# Altium PCB Discharge_C2.PcbDoc (part 1 of 2) (continued)
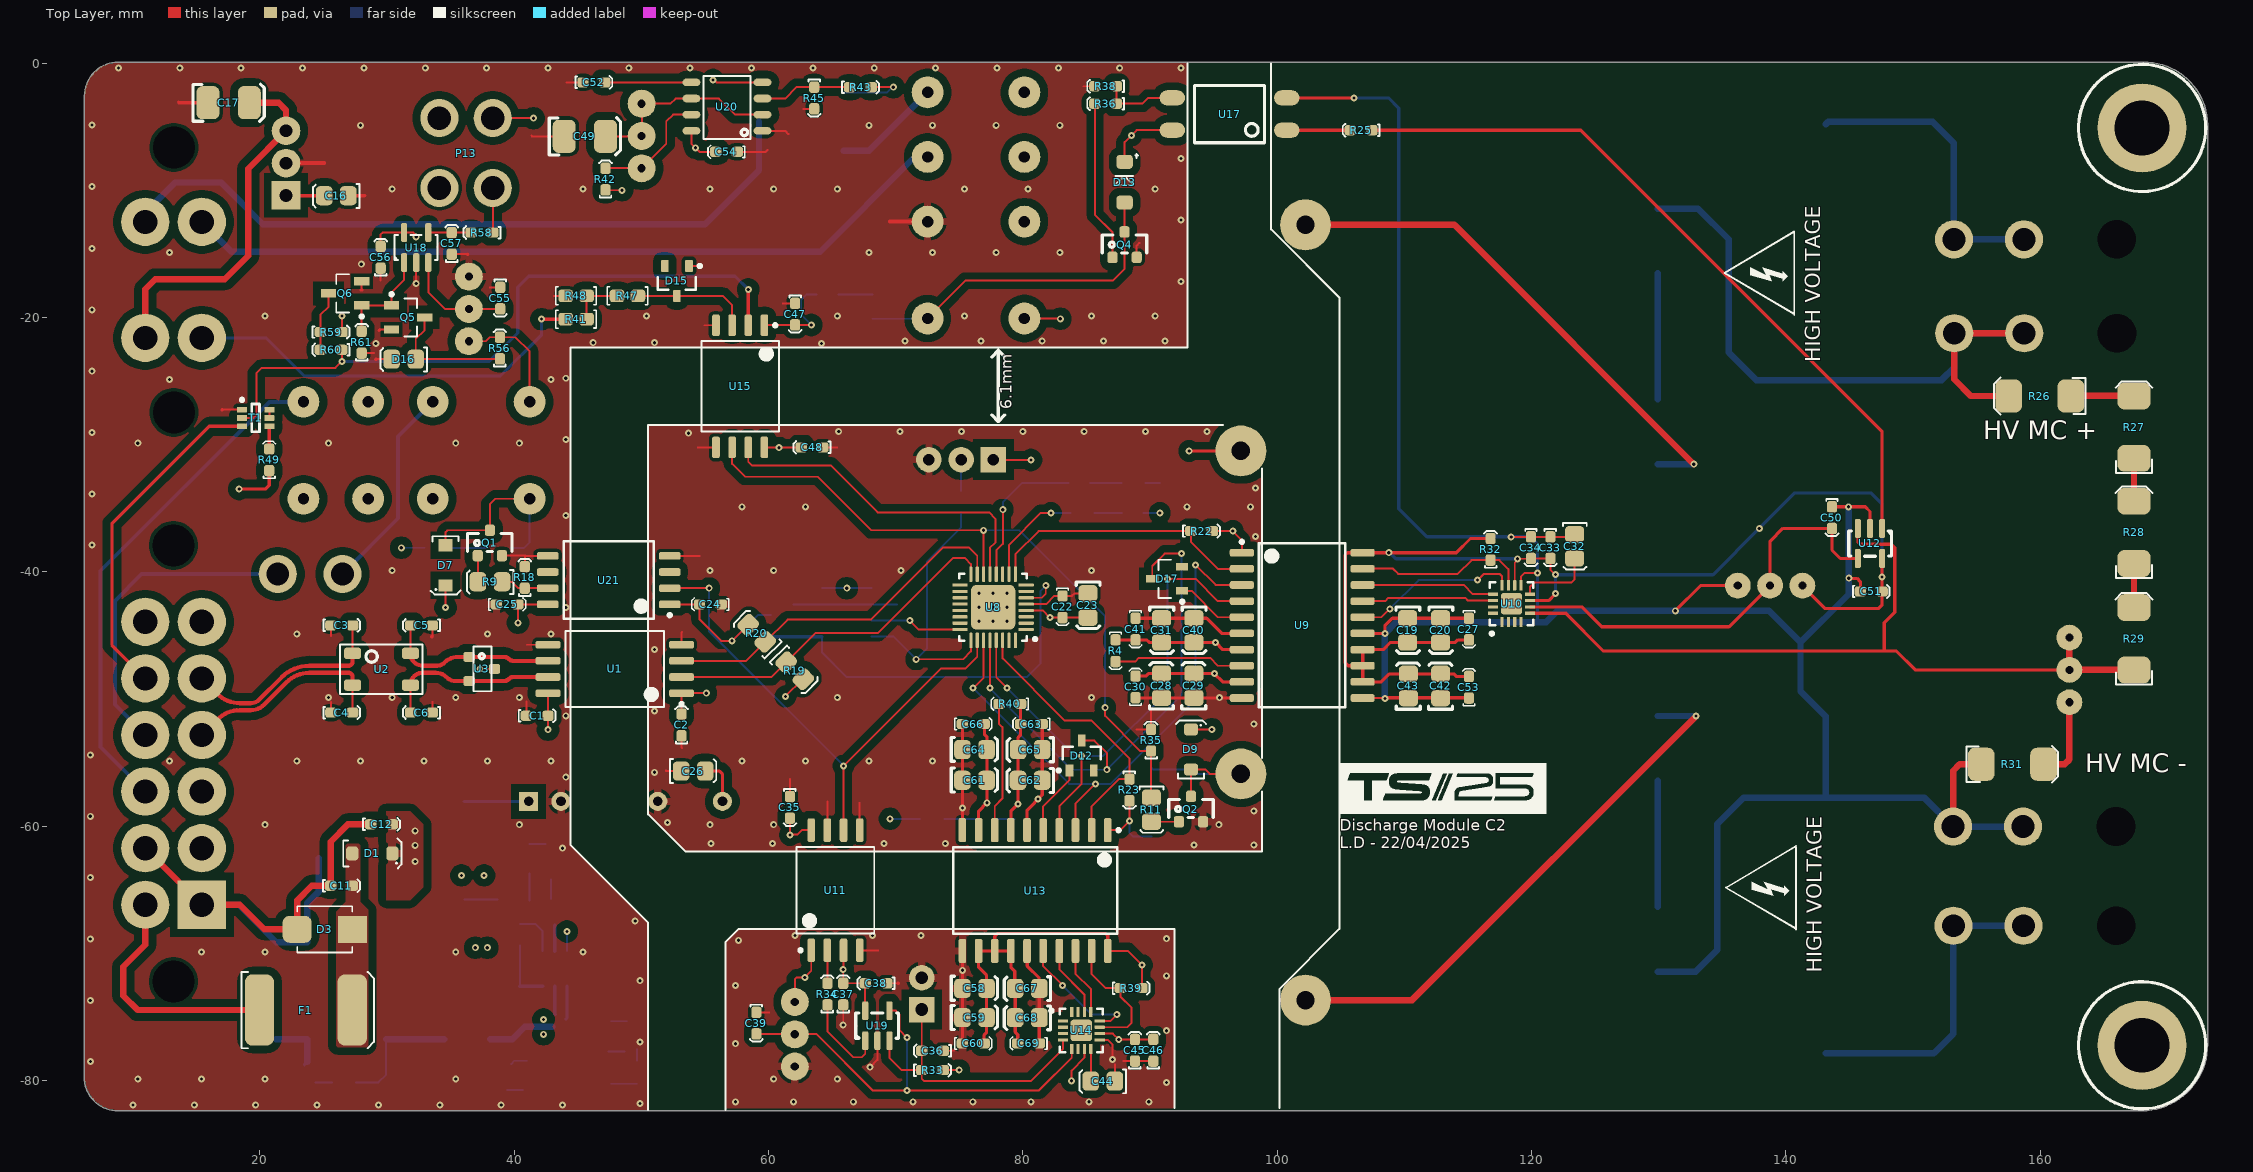
[diagram p0: Top Layer view]
## Components (designator, comment, footprint, x,y, rotation, side; value= is the part's Value field where it differs from the comment)
C1 "100nF" 0603 40.972,-51.308 r0 top
C2 "100nF" 0603 53.172,-52.881 r90 top
C3 "100pF" 0603 25.605,-44.196 r0 top
C4 "100pF" 0603 25.605,-51.054 r0 top
C5 "100pF" 0603 33.577,-44.196 r180 top
C6 "100pF" 0603 33.577,-51.054 r180 top
C7 "100nF" 0603 40.462,-69.367 r90 bottom
C8 "10uF" 0805 26.645,-80.162 r0 bottom
C9 "10uF" 0805 46.646,-75.302 r180 bottom
C10 "100nF" 0603 47.408,-77.699 r180 bottom
C11 "100nF" 0603 25.58,-64.668 r0 top
C12 "100nF" 0603 28.73,-59.842 r0 top
C13 "47uF" "CHEMI-CON ELCO" 27.28,-62.509 r0 bottom
C14 "2.2uF" 0805 41.985,-78.461 r0 bottom value=22uF
C15 "100nF" 0603 40.725,-80.747 r0 bottom
C16 "10uF" 0805 26.01,-10.439 r180 top
C17 "22uF" 1210 18.745,-3.099 r0 top
C18 "10uF" 0805 37.361,-66.7 r270 bottom
C19 "10uF" GCM21BR71H105KA03L-Footprint-1 110.16,-44.552 r270 top value=10µF
C20 "1uF" GCM21BR71H105KA03L-Footprint-1 112.751,-44.552 r270 top value=1µF
C21 "10uF" 0805 40.234,-61.354 r180 bottom
C22 "100nF" "0603 Capacitor" 83.134,-41.886 r270 top
C23 "2.2uF" GCM21BR71H105KA03L-Footprint-1 85.014,-42.596 r270 top value=2.2µF
C24 "100nF" 0603 56.285,-42.545 r180 top
C25 "100nF" 0603 38.61,-42.545 r0 top
C26 "10uF" 0805 54.102,-55.626 r0 top
C27 "10nF" "0603 Capacitor" 115.087,-43.637 r270 top
C28 "10uF" GCM21BR71H105KA03L-Footprint-1 91.034,-48.971 r90 top value=10µF
C29 "1uF" GCM21BR71H105KA03L-Footprint-1 93.574,-48.971 r90 top value=1µF
C30 "10nF" "0603 Capacitor" 88.875,-49.886 r90 top
C31 "10uF" GCM21BR71H105KA03L-Footprint-1 90.81,-44.552 r270 top value=10µF
C32 "1µF" 0805 123.423,-37.996 r270 top
C33 "100nF" 0603 121.492,-37.234 r270 top
C34 "100nF" 0603 119.968,-37.234 r270 top
C35 "100nF" 0603 61.696,-57.658 r270 top
C36 "100nF" 0603 73.762,-77.648 r180 top
C37 "100nF" 0603 65.888,-74.041 r90 top
C38 "100nF" 0603 69.315,-72.339 r180 top
C39 "100nF" 0603 59.055,-74.627 r270 top
C40 "1uF" GCM21BR71H105KA03L-Footprint-1 93.35,-44.552 r270 top value=1µF
C41 "10nF" "0603 Capacitor" 88.875,-43.637 r270 top
C42 "10uF" GCM21BR71H105KA03L-Footprint-1 112.979,-48.996 r90 top value=10µF
C43 "1uF" GCM21BR71H105KA03L-Footprint-1 110.439,-48.996 r90 top value=1µF
C44 "1µF" 0805 86.284,-80.061 r180 top
C45 "100nF" 0603 88.824,-78.459 r90 top
C46 "100nF" 0603 90.272,-78.457 r90 top
C47 "100nF" 0603 62.103,-18.874 r270 top
C48 "100nF" 0603 64.282,-30.2 r180 top
C49 "22uF" 1210 46.753,-5.74 r0 top
C50 "100nF" 0603 143.637,-34.876 r270 top
C51 "100nF" 0603 145.874,-41.529 r0 top
C52 "100nF" 0603 45.424,-1.499 r0 top
C53 "10nF" "0603 Capacitor" 115.087,-49.911 r90 top
C54 "100nF" 0603 57.555,-6.96 r180 top
C55 "100nF" 0603 38.913,-17.614 r270 top
C56 "100nF" 0603 29.515,-16.102 r90 top
C57 "10nF" 0603 35.103,-15.01 r90 top
C58 "10uF" GCM21BR71H105KA03L-Footprint-1 76.175,-72.857 r0 top value=10µF
C59 "1uF" GCM21BR71H105KA03L-Footprint-1 76.175,-75.159 r0 top value=1µF
C60 "10nF" "0603 Capacitor" 75.26,-77.064 r0 top
C61 "10uF" GCM21BR71H105KA03L-Footprint-1 76.175,-56.49 r0 top value=10µF
C62 "1uF" GCM21BR71H105KA03L-Footprint-1 80.614,-56.266 r180 top value=1µF
C63 "10nF" "0603 Capacitor" 81.534,-51.956 r180 top
C64 "10uF" GCM21BR71H105KA03L-Footprint-1 76.175,-54.077 r0 top value=10µF
C65 "1uF" GCM21BR71H105KA03L-Footprint-1 80.619,-53.853 r180 top value=1µF
C66 "10nF" "0603 Capacitor" 75.26,-51.956 r0 top
C67 "10uF" GCM21BR71H105KA03L-Footprint-1 80.391,-72.634 r180 top value=10µF
C68 "1uF" GCM21BR71H105KA03L-Footprint-1 80.391,-74.935 r180 top value=1µF
C69 "10nF" "0603 Capacitor" 81.306,-77.064 r180 top
D1 "PMEG100T10ELR-QX" SODFL350X110-2N#1 28.855,-62.128 r180 top
D2 "Red" "0805 LED" 46.67,-80.265 r0 bottom
D3 "SM6T39CAY" SM6T39CAY-Footprint-1 25.115,-68.097 r0 top
D4 "Red" "0805 LED" 40.282,-63.716 r0 bottom
D5 "Red" "0805 LED" 72.898,-59.436 r0 bottom
D6 "Green" "0805 LED" 33.909,-38.121 r0 bottom
D7 "PMEG100T10ELR-QX" SODFL350X110-2N#2 34.62,-39.472 r90 top
D8 "Green" "0805 LED" 90.144,-59.84 r90 bottom
D9 "PMEG100T10ELR-QX" SODFL350X110-2N#1 93.233,-53.95 r270 top
D10 "Yellow" "0805 LED" 84.686,-35.331 r180 bottom
D11 "Yellow" "0805 LED" 88.719,-33.021 r0 bottom
D12 "BAS-21" NEXPERIA_SOT23 84.633,-54.433 r90 top
D13 "PMEG100T10ELR-QX" "NXP SOD123W" 88.011,-9.347 r270 top
D14 "Orange" "0805 LED" 68.174,-19.149 r270 bottom
D15 "SZMMBZ5231BLT1G" SOT23-3 52.807,-17.113 r270 top
D16 "Green" "0805 LED" 31.312,-23.292 r180 top
D17 "BAS-21" NEXPERIA_SOT23 91.364,-40.538 r180 top
F1 "0ZCF0100AF2A" 2920 19.98,-74.447 r0 top
K1 "J104A2C5VDC.40S" J104A2C5VDC.40S-Footprint-1 32.334,-30.429 r180 bottom
K2 "J104A2C5VDC.40S" J104A2C5VDC.40S-Footprint-1 76.327,-11.176 r90 bottom
L1 "12uH" 1812 36.319,-76.733 r180 bottom
L2 "4.7uH" SRN3015TA-4R7M 38.912,-72.568 r0 bottom
L3 "12uH" 1812 36.09,-59.839 r270 bottom
P1 "DTF13-12P" DTF13-12P 11,-55.053 r90 bottom
P2 "1.27mm" 3221-10-0300-00 66.167,-42.545 r90 bottom
P3 "39300020" 39300020 158.725,-13.843 r270 bottom
P4 "39300020" 39300020 158.687,-67.818 r270 bottom
P5 "39300020" 39300020 158.75,-21.226 r270 bottom
P6 "39300020" 39300020 158.662,-60.022 r270 bottom
P10 "2.54mm" "TH 2.54mm Header 1x3" 77.699,-31.166 r180 bottom
P11 "B2B-XH-A(LF)(SN)" "XH 2 PIN VERT" 71.935,-73.161 r90 bottom
P12 "39293026" 39293026 23.965,-40.157 r90 bottom
P13 "39-29-3046" 39-29-3046-Footprint-1 38.329,-9.804 r0 top
Q1 "2N7002K" 2N7002K-Footprint-1 38.1,-37.719 r0 top
Q2 "2N7002K" 2N7002K-Footprint-1 93.233,-58.639 r0 top
Q3 "STD70N10F4" "STM TO-252 MOSFET" 58.913,-4.636 r90 bottom
Q4 "2N7002K" 2N7002K-Footprint-1 88.011,-14.259 r0 top
Q5 "SQ2308CES-T1_GE3" "VSHY SOT-23-3" 31.674,-19.985 r0 top
Q6 "SQ2308CES-T1_GE3" "VSHY SOT-23-3" 26.721,-18.085 r180 top
R1 "15k" TE_SMF7 143.129,-14.859 r270 bottom
R2 "15k" TE_SMF7 143.129,-67.786 r90 bottom
R3 "20K" 0603 49.657,-78.41 r270 bottom
R4 "1.2k" 0603 87.3,-45.341 r270 top
R5 "2K" 0603 42.924,-65.735 r180 bottom
R6 "10K (Var)" "B 3296"#1 162.865,-47.613 r90 bottom
R7 "1k" 0603 77.978,-59.41 r180 bottom
R8 "1k" 0603 39.673,-38.1 r180 bottom
R9 "100R" 0805 38.1,-40.792 r180 top
R10 "PWR263S-35-1001J" "B TO-263" 119.718,-13.974 r270 bottom value=1k
R11 "100R" 0805 90.145,-58.701 r270 top
R12 "PWR263S-35-1001J" "B TO-263" 119.718,-28.974 r270 bottom value=1k
R13 "1k" 0603 90.17,-55.45 r270 bottom
R14 "PWR263S-35-1001J" "B TO-263" 119.718,-53.873 r270 bottom value=1k
R15 "PWR263S-35-1001J" "B TO-263" 119.718,-68.873 r270 bottom value=1k
R16 "500R" 0603 87.808,-35.358 r0 bottom
R17 "500R" 0603 85.29,-33.01 r180 bottom
R18 "10k" 0603 40.843,-41.275 r90 top
R19 "5.1k" 0805 62.103,-47.752 r315 top
R20 "5.1k" 0805 59.055,-44.831 r135 top
R21 "10k" 0603 60.198,-45.085 r90 bottom
R22 "1.2k" 0603 93.22,-36.779 r0 top
R23 "1.2k" 0603 88.392,-56.289 r270 top
R24 "10k" 0603 75.159,-33.63 r270 bottom
R25 "1k" 0603 107.466,-5.258 r180 top
R26 "330K" "VB 0207" 160.183,-26.162 r180 top
R27 "330K" "VB 0207" 167.386,-28.812 r90 top
R28 "330K" "VB 0207" 167.386,-37.084 r90 top
R29 "330K" "VB 0207" 167.386,-45.449 r90 top
R30 "10K (Var)" "B 3296"#1 138.684,-40.513 r180 bottom
R31 "3.3K" "VB 0207" 157.624,-55.118 r0 top
R32 "1.2k" 0603 116.789,-39.065 r90 top
R33 "2K" 0603 72.062,-79.172 r0 top
R34 "1k" 0603 64.643,-74.041 r90 top
R35 "10k" 0603 90.094,-54.077 r90 top
R36 "680R" 0603 87.376,-3.175 r180 top
R37 "10K (Var)" "B 3296"#2 61.519,-76.439 r270 bottom
R38 "10k" 0603 87.376,-1.803 r180 top
R39 "1.2k" 0603 87.681,-72.72 r0 top
R40 "1.2k" 0603 79.834,-50.369 r180 top
R41 "RC0603FR-0710KL" RESC0603 44.882,-20.117 r0 top value=10K
R42 "5.1k" 0603 47.193,-9.955 r90 top
R43 "10R" 0603 66.396,-1.88 r0 top
R44 "10K (Var)" "B 3296"#2 49.479,-5.801 r270 bottom
R45 "20K" 0603 63.602,-1.88 r270 top
R46 "1k" 0603 65.507,-18.187 r180 bottom
R47 "RC0603FR-075K1L" RESC0603 48.92,-18.288 r0 top value=5.1K
R48 "RC0603FR-075K1L" RESC0603 44.882,-18.288 r0 top value=5.1K
R49 "1k" 0603 20.752,-32.028 r90 top
R56 "2K" 0603 38.887,-23.241 r90 top
R57 "10K (Var)" "B 3296"#2 37.008,-19.228 r90 bottom
R58 "10k" 0603 38.327,-13.31 r180 top
R59 "1k" 0603 24.767,-21.133 r0 top
R60 "1k" 0603 26.467,-22.53 r180 top
R61 "20K" 0603 28.021,-22.784 r90 top
T1 "PUMD2,115" "NXP, SOT363" 19.685,-27.889 r0 top
U1 "ISO1042" TI-SOIC-8 47.922,-47.625 r180 top
U2 "B82787C0104H002" "TDK 4-PC Pad" 27.305,-46.395 r0 top value="100µH @ 100kHz"
U3 "NUP2105L" "ON SOT-23" 37.465,-47.625 r270 top
U4 "744272121" "Wurth 4-PC Pad" 23.727,-76.733 r90 bottom value="120uH @ 100kHz"
U5 "LMR50410Y5FQDBVRQ1" TI-SOT23-6 43.205,-71.193 r270 bottom
U6 "RK-053.3S/H6" RK-053.3S/H6 41.148,-58.039 r0 bottom
U7 "3350-4275-056" "CI SPST" 97.155,-43.18 r90 bottom
U8 "STM32G0B1KBU6" ST-UFQFPN32 77.673,-42.774 r180 top
U9 "ISOW7741QDFMRQ1" TI-SOIC-20 101.98,-44.196 r0 top
U10 "TLA2518IRTER" QFN50P300X300X80_HS-17N 118.44,-42.494 r90 top
U11 "ADuM210N" SOIC-8W 65.278,-65.024 r90 top
U12 "TLV7031-Q1" "TI SOT-23-5" 147.574,-36.576 r180 top
U13 "ISOW7741QDFMRQ1" TI-SOIC-20 80.975,-65.049 r270 top
U14 "TLA2518IRTER" QFN50P300X300X80_HS-17N 84.607,-76.048 r0 top
U15 "ADuM225N" AD-SOIC-8W 57.785,-25.4 r270 top
U16 "DTF13-4P" DTF13-4P 11,-17.03 r90 bottom
U17 "LTV-817S-TA1" "ON 4-SMD" 96.012,-3.988 r180 top
U18 "TLV7031-Q1" "TI SOT-23-5" 31.359,-15.672 r0 top
U19 "TLV7031-Q1" "TI SOT-23-5" 67.617,-76.858 r0 top
U20 "NE555DR" "TI 8-SOIC" 49.86,-2.769 r180 top
U21 "ADuM225N" AD-SOIC-8W 47.447,-40.64 r180 top
U22 "R-78C5.0-1.0" "RECOM 3-SIP" 22.073,-10.389 r90 bottom

## Footprints (in the part's own frame and the unit in brackets; to place one, negate y for a bottom-side part, rotate by r counter-clockwise, add the part's x,y. Pads: shape width x height; smd on the part's side, far side on the other; paste and mask are expansions set on the pad)
2N7002K-Footprint-1 [mm]
  rrect50% 0.8x0.9 smd: D(0,1) G(-0.95,-1) S(0.95,-1)
  silkscreen extent -1.75,-0.66 1.75,0.75, body extent -1.5,-1.27 1.5,1.28, height 1
39-29-3046-Footprint-1 [mm]
  round 3 / inner round 3 / far side round 3.5 hole 1.85: 1(0,0) 2(0,5.5) 3(-4.2,0) 4(-4.2,5.5)
  body extent -7.3,-2.1 3.1,8.9, height 3.5
0603 [mm]
  rrect50% 0.9x0.8 smd: 1(0,0) 2(1.7,0)
  silkscreen extent -0.6,-0.5 2.3,0.5, body extent 0.05,-0.42 1.65,0.43, height 0.6
"0603 Capacitor" [mm]
  rrect50% 0.9x0.8 smd: 1(0,0) 2(1.7,0)
  silkscreen extent -0.6,-0.5 2.3,0.5, body extent 0.05,-0.42 1.65,0.43, height 0.6
0805 [mm]
  rrect50% 1.3x1.5 smd: 1(-0.962,-0.026) 2(0.938,-0.026)
  silkscreen extent -1.85,-0.95 1.8,0.93, body extent -1,-0.65 1,0.66, height 0.73
"0805 LED" [mm]
  rrect50% 1.3x1.5 smd: A(-0.962,-0.026) K(0.938,-0.026)
  silkscreen extent -1.85,-0.95 1.8,0.93, body extent -1.09,-0.63 0.91,0.63, height 1
1210 [mm]
  rrect50% 1.8x2.6 smd: 1(-2.81,0) 2(0.44,0)
  silkscreen extent -3.99,-1.46 1.62,1.46, body extent -2.77,-1.26 0.43,1.24, height 2.51
1812 [mm]
  rrect50% 2.2x3.5 smd: 1(-1.8,0) 2(1.8,0)
  silkscreen extent -3.25,-1.75 3.25,1.75, body extent -2.25,-1.6 2.25,1.6, height 2.5
2920 [mm]
  rrect50% 2.3x5.6 smd: 1(0,0) 2(7.3,0)
  silkscreen extent -1.4,-3 9,3, body extent -0.34,-2.81 7.64,2.81, height 1.14
3221-10-0300-00 [mm]
  rrect25% 0.76x2.4 smd: 1(-2.54,-1.95) 2(-2.54,1.95) 3(-1.27,-1.95) 4(-1.27,1.95) 5(0,-1.95) 6(0,1.95) 7(1.27,-1.95) 8(1.27,1.95) 9(2.54,-1.95) 10(2.54,1.95)
  silkscreen extent -6.35,-3.6 6.35,2.55, body extent -6.34,-2.8 6.36,2.8, height 5.25
39293026 [mm]
  round 3.5 / inner round 3 / far side round 3 hole 1.8: 1(0,2.54) 2(0,-2.54)
  body extent -3,-5.9 3.2,5.1, height 12.8
39300020 [mm]
  round 3 hole 1.8: 1(0,0) 2(0,5.5)
  round 1.524 hole 3.05: ""(0,-7.3)
  body extent -2.7,-13.97 3.1,5.97, height 11.4
AD-SOIC-8W [mm]
  rrect50% 1.7x0.6 smd: 1(-4.8,1.905) 2(-4.8,0.635) 3(-4.8,-0.635) 4(-4.8,-1.905) 5(4.8,-1.905) 6(4.8,-0.635) 7(4.8,0.635) 8(4.8,1.905)
  silkscreen extent -4.92,-3.05 3.55,3.05, body extent -5.16,-3.05 5.16,3.05, height 2.65
"B 3296"#1 [mil]
  round 80 hole 25.2: 1(-103.39,-22) 2(-3.39,-22) 3(96.61,-22)
  silkscreen extent -193,-97 187,143, body extent -191,-97 184,143, height 455
"B 3296"#2 [mil]
  round 80 / inner round 80 / far side round 86.61 hole 25.2: 1(-103.39,-22) 2(-3.39,-22) 3(96.61,-22)
  silkscreen extent -193,-97 187,143, body extent -191,-97 184,143, height 455
"B TO-263" [mm]
  rrect50% 2x3.8 smd: 1(-2.55,-10.2) 2(2.55,-10.2)
  rrect50% 12.7x11.4 smd: ""(0,0)
  silkscreen extent -6.8,-10.56 6.75,6.1, body extent -5.19,-11.02 5.45,4.83, height 4.8
"CHEMI-CON ELCO" [mm]
  rrect50% 3.55x1.85 smd: 1(-2.65,0) 2(2.65,0)
  silkscreen extent -4.43,-3.3 3.3,3.3, body extent -3.7,-3.4 3.7,3.4, height 6.1
"CI SPST" [mm]
  round 3.5 / inner round 3.5 / far side round 4 hole 1.45: 1(30.48,5.08) 2(12.7,0) 3(-12.7,0) 4(-30.48,5.08)
  silkscreen extent -38.73,-8.26 38.73,13.97, body extent -38.1,-4.45 38.1,13.34, height 20.57
DTF13-4P [mm]
  round 3 hole 3.3 unplated: 0(-10.415,2.25) 0(10.415,2.25)
  round 3 / inner round 3 / far side round 3.8 hole 1.9: 1(-4.56,4.45) 2(-4.56,0) 3(4.56,4.45) 4(4.56,0)
  silkscreen extent -5,-4.45 5,-4.45, body extent -13.68,-25.73 13.5,7.73, height 23.65
DTF13-12P [mm]
  round 3 hole 3.3 unplated: 0(-17.145,2.22) 0(17.145,2.22)
  rect 3x3 / inner rect 3x3 / far side rect 3.8x3.8 hole 1.9: 1(-11.114,4.45)
  round 3 / inner round 3 / far side round 3.8 hole 1.9: 2(-6.664,4.45) 3(-2.214,4.45) 4(2.236,4.45) 5(6.686,4.45) 6(11.136,4.45) 7(11.136,0) 8(6.686,0) 9(2.236,0) 10(-2.214,0) 11(-6.664,0) 12(-11.114,0)
  silkscreen extent -15.56,-4.45 15.59,-4.45, body extent -20.79,-27.74 20.79,6.55, height 23.13
GCM21BR71H105KA03L-Footprint-1 [mm]
  rrect50% 1.3x1.5 smd: 1(-0.915,0.112) 2(0.985,0.112)
  silkscreen extent -1.8,-0.81 1.85,1.07, body extent -0.95,-0.52 1.05,0.79, height 0.73
J104A2C5VDC.40S-Footprint-1 [mm]
  round 2.032 / inner round 2.032 / far side round 2.5 hole 0.9: 1(-8.89,-3.81) 4(-1.27,-3.81) 6(3.81,-3.81) 8(8.89,-3.81) 9(8.89,3.81) 11(3.81,3.81) 13(-1.27,3.81) 16(-8.89,3.81)
  silkscreen extent -10.16,-5.08 10.16,5.08, body extent -10.1,-5 10.1,5, height 11.43
NEXPERIA_SOT23 [mm]
  rect 0.95x0.6 smd: 2(-1.175,-0.95) A(-1.175,0.95) K(1.175,0)
  silkscreen extent -1.3,-1.5 0.7,1.92, body extent -1.33,-1.5 1.33,1.5, height 1.1
"NXP SOD123W" [mm]
  rrect50% 1.1x1.3 smd: A(1.6,0) K(-1.6,0)
  silkscreen extent -2.2,-0.73 0.2,1.04, body extent -1.75,-0.95 1.75,0.95, height 1.1
"NXP, SOT363" [mm]
  rrect25% 0.8x0.45 smd: B1(-1.075,0) B2(1.075,0) C1(1.075,0.65) C2(-1.075,-0.65) E1(-1.075,0.65) E2(1.075,-0.65)
  silkscreen extent -1.2,-1.1 0.3,1.55, body extent -1.15,-1.1 1.15,1.1, height 1.1
"ON 4-SMD" [mm] "SOP, 4-Leads, Body 3.85x4.4mm, Pitch 2.54mm, IPC Medium Density"
  oval 2x1.2 smd: 1(-4.75,1.27) 2(-4.75,-1.27) 3(4.25,-1.27) 4(4.25,1.27)
  silkscreen extent -3,-2.25 2.5,2.25, body extent -5.33,-2.3 4.83,2.3, height 4.6
"ON SOT-23" [mm] "NUP2105L"
  rrect50% 0.8x0.9 smd: 1(-0.95,-1) 2(0.95,-1) 3(0,1)
  silkscreen extent -1.75,-0.65 1.75,0.75, body extent -1.5,-1.27 1.5,1.28, height 1
QFN50P300X300X80_HS-17N [mm] "QFN, 16-Leads, Body 3.00x3.00mm, Pitch 0.50mm, Thermal Pad 1.68x1.68mm, IPC Medium Density"
  rrect25% 0.8x0.25 smd: 1(-1.45,0.75) 2(-1.45,0.25) 3(-1.45,-0.25) 4(-1.45,-0.75) 9(1.45,-0.75) 10(1.45,-0.25) 11(1.45,0.25) 12(1.45,0.75)
  rrect25% 0.25x0.8 smd: 5(-0.75,-1.45) 6(-0.25,-1.45) 7(0.25,-1.45) 8(0.75,-1.45) 13(0.75,1.45) 14(0.25,1.45) 15(-0.25,1.45) 16(-0.75,1.45)
  rrect25% 1.68x1.68 smd: 17(0,0)
  silkscreen extent -2.47,-1.7 1.7,1.7, body extent -1.6,-1.6 1.6,1.6, height 0.8
"RECOM 3-SIP" [mm] "12 to 42 Vdc In, 9 Vdc Out"
  rect 1.75x1.75 / inner rect 1.75x1.75 / far side rect 2.25x2.25 hole 1: 1(0,0)
  round 1.75 / inner round 1.75 / far side round 2.25 hole 1: 2(2.54,0) 3(5.08,0)
  silkscreen extent -3.5,-2 8.5,6.5, body extent -3.26,-2.02 8.34,6.48, height 11.41
RESC0603 [mm] "Chip Resistor, 2-Leads, Body 1.60x0.80mm, IPC Low Density"
  rrect50% 1.15x1 smd: 1(-0.825,0) 2(0.825,0)
  silkscreen extent -1.59,-0.7 1.59,0.7, body extent -0.85,-0.45 0.85,0.45, height 0.6
RK-053.3S/H6 [mm]
  rect 1.303x1.303 / inner rect 1.303x1.303 / far side rect 1.5x1.5 hole 0.76: 1(0,0)
  round 1.303 / inner round 1.303 / far side round 1.5 hole 0.76: 2(2.54,0) 5(10.16,0) 7(15.24,0)
  silkscreen extent -2,-5.78 17.65,1.8, body extent -1.99,-5.79 17.65,1.26, height 10.2
SM6T39CAY-Footprint-1 [mm]
  rect 2.28x2.12 smd: A(2.165,0)
  rrect50% 2.28x2.12 smd: K(-2.165,0)
  silkscreen extent -2.16,-1.81 2.16,1.81, body extent -2.79,-1.98 2.79,1.98, height 2.64
SODFL350X110-2N#1 [mm] "SODFL, 2-Leads, Body 1.70x3.50mm, IPC Medium Density"
  rrect50% 0.95x1.1 smd: A(1.575,0) K(-1.575,0)
  silkscreen extent -2.29,-1.19 2.28,1.18, body extent -1.75,-0.95 1.75,0.95, height 1.1
SODFL350X110-2N#2 [mm] "SODFL, 2-Leads, Body 1.70x3.50mm, IPC Medium Density"
  rect 0.95x1.1 smd: A(1.575,0) K(-1.575,0)
  silkscreen extent -2.29,-1.19 2.28,1.18, body extent -1.75,-0.95 1.75,0.95, height 1.1
SOIC-8W [mm]
  rrect50% 1.85x0.6 smd: 1(-4.725,1.905) 2(-4.725,0.635) 3(-4.725,-0.635) 4(-4.725,-1.905) 5(4.725,-1.905) 6(4.725,-0.635) 7(4.725,0.635) 8(4.725,1.905)
  silkscreen extent -4.85,-3.05 3.4,3.05, body extent -5.16,-3.05 5.16,3.05, height 2.65
SOT23-3 [mm] "SOT23, 3-Leads, Body 2.85x2.33mm, Pitch 0.95mm, IPC Medium Density"
  rrect25% 0.95x0.6 smd: 2(-1.175,-0.95) A(-1.175,0.95) K(1.175,0)
  silkscreen extent -1.3,-1.5 0.7,1.93, body extent -1.33,-1.5 1.33,1.5, height 1.1
SRN3015TA-4R7M [mm]
  rrect25% 1.5x3.6 smd: 1(-1.525,0) 2(1.525,0)
  silkscreen extent -2.1,-0.05 -2,0.05, body extent -1.46,-1.47 1.61,1.47, height 1.4
ST-UFQFPN32 [mm]
  rrect50% 1.2x0.25 smd: 1(-2.6,1.75) 2(-2.6,1.25) 3(-2.6,0.75) 4(-2.6,0.25) 5(-2.6,-0.25) 6(-2.6,-0.75) 7(-2.6,-1.25) 8(-2.6,-1.75) 17(2.6,-1.75) 18(2.6,-1.25) 19(2.6,-0.75) 20(2.6,-0.25) 21(2.6,0.25) 22(2.6,0.75) 23(2.6,1.25) 24(2.6,1.75)
  rrect25% 3.5x3.5 smd: 5(0,0)
  rrect50% 0.25x1.2 smd: 9(-1.75,-2.6) 10(-1.25,-2.6) 11(-0.75,-2.6) 12(-0.25,-2.6) 13(0.25,-2.6) 14(0.75,-2.6) 15(1.25,-2.6) 16(1.75,-2.6) 25(1.75,2.6) 26(1.25,2.6) 27(0.75,2.6) 28(0.25,2.6) 29(-0.25,2.6) 30(-0.75,2.6) 31(-1.25,2.6) 32(-1.75,2.6)
  silkscreen extent -3.42,-2.65 2.65,2.65, body extent -2.52,-2.52 2.52,2.52, height 0.6
"STM TO-252 MOSFET" [mm]
  rrect50% 6.7x6.7 smd: D(0.05,0.35)
  oval 1.6x3 smd: G(2.35,7) S(-2.25,7)
  silkscreen extent -3.75,-3.4 3.75,4.5, body extent -3.33,-2.67 3.39,7.75, height 2.39
"TDK 4-PC Pad" [mm]
  rrect50% 1.35x0.9 smd: 1(0,-2.5) 2(0,0) 3(4.55,0) 4(4.55,-2.5)
  silkscreen extent -1,-3.2 5.5,0.7, body extent -0.02,-2.82 4.48,0.38, height 2.8
TE_SMF7 [mm]
  rect 5.6x5.2 smd: 1(-10.05,0) 2(10.05,0)
  silkscreen extent -12.25,-4.75 12.25,4.75, body extent -12.25,-4.75 12.25,4.75, height 9.9
"TH 2.54mm Header 1x3" [mm]
  rect 1.5x1.5 / inner rect 1.5x1.5 / far side rect 2x2 hole 0.9: 1(0,0)
  round 1.5 / inner round 1.5 / far side round 2 hole 0.9: 2(2.54,0) 3(5.08,0)
  silkscreen extent -1.27,-1.27 6.35,1.27, body extent -1.27,-1.27 6.35,1.27, height 9.5
"TI 8-SOIC" [mm]
  oval 1.4x0.6 smd: 1(-9.677,2.54) 2(-9.677,1.27) 3(-9.677,0) 4(-9.677,-1.27) 5(-4.089,-1.27) 6(-4.089,0) 7(-4.089,1.27) 8(-4.089,2.54)
  silkscreen extent -8.74,-1.78 -5.03,3.17, body extent -9.96,-1.87 -3.76,3.14, height 1.76
"TI SOT-23-5" [mil]
  rrect50% 19x58 smd: 1(0,0) 2(37.4,0) 3(74.8,0) 4(74.8,93) 5(0,93)
  silkscreen extent -30,8 103,86, body extent -23,-12 97,106, height 57
TI-SOIC-8 [mm]
  rrect50% 1.95x0.6 smd: 1(-5.25,1.905) 2(-5.25,0.635) 3(-5.25,-0.635) 4(-5.25,-1.905) 5(5.25,-1.905) 6(5.25,-0.635) 7(5.25,0.635) 8(5.25,1.905)
  silkscreen extent -5.38,-3 3.88,3, body extent -5.75,-3 5.75,3, height 2.8
TI-SOIC-20 [mm]
  rrect50% 1.9x0.6 smd: 1(-4.75,5.715) 2(-4.75,4.445) 3(-4.75,3.175) 4(-4.75,1.905) 5(-4.75,0.635) 6(-4.75,-0.635) 7(-4.75,-1.905) 8(-4.75,-3.175) 9(-4.75,-4.445) 10(-4.75,-5.715) 11(4.75,-5.715) 12(4.75,-4.445) 13(4.75,-3.175) 14(4.75,-1.905) 15(4.75,-0.635) 16(4.75,0.635) 17(4.75,1.905) 18(4.75,3.175) 19(4.75,4.445) 20(4.75,5.715)
  silkscreen extent -4.87,-6.45 3.4,6.69, body extent -5.15,-6.45 5.15,6.45, height 3.55
TI-SOT23-6 [mm]
  rect 1x0.6 smd: 1(-1.375,0.95) 2(-1.375,0) 3(-1.375,-0.95) 4(1.375,-0.95) 5(1.375,0) 6(1.375,0.95)
  silkscreen extent -1.5,-1.55 0.5,1.92, body extent -1.5,-1.53 1.5,1.53, height 1.45
"VB 0207" [mm]
  rrect50% 2.1x2.6 smd: 1(-2.25,0) 2(2.65,0)
  silkscreen extent -3.4,-1.45 3.8,1.45, body extent -2.7,-1.1 3.1,1.1, height 2.19
"VSHY SOT-23-3" [mm] "SOT23, 3-Leads, Body 2.92x2.37mm, Pitch 0.95mm, IPC Low Density"
  rect 1.2x0.65 smd: D(1.3,0) G(-1.3,0.95) S(-1.3,-0.95)
  silkscreen extent -1.42,-1.5 0.7,1.95, body extent -1.32,-1.52 1.32,1.52, height 1.12
"Wurth 4-PC Pad" [mm]
  rrect50% 2.7x2.7 smd: 1(7.62,6.22) 2(0,6.22) 3(0,0) 4(7.62,0)
  silkscreen extent -1.7,-1.8 9.4,8, body extent -1.19,-1.24 8.81,7.46, height 6.2
"XH 2 PIN VERT" [mm]
  round 1.508 / inner round 1.508 / far side round 2 hole 1: 1(1.25,0.127)
  rect 1.508x1.508 / inner rect 1.508x1.508 / far side rect 2x2 hole 1: 2(-1.25,0.127)
  silkscreen extent -3.7,-3.3 3.7,3.71, body extent -3.61,-3.24 3.61,2.6, height 7.21

## Part data
C1 C2 C7 C10 C11 C12 C15 C24 C25 C33 C34 C35 C36 C37 C38 C39 C45 C46 C47 C48 C50 C51 C52 C54 C55 C56: library part GCM188L81H104KA57D, Digikey Part Number=490-6049-1-ND, Manufacturer=muRata, Rated Voltage=50V, Temperature Rating=X8L, Tolerance=±10%, Material=MLCC, Part Number=GCM188L81H104KA57D
C3 C4 C5 C6: library part GRM1885C1H101JA01D, Digikey Part Number=490-1427-1-ND, Manufacturer="Murata Electronics", Rated Voltage=50V, Temperature Rating="C0G, NP0", Tolerance=±5%, Material=MLCC, Part Number=GRM1885C1H101JA01D
C8 C9 C16 C18 C21 C26: library part GRM21BR6YA106KE43L, Digikey Part Number=490-10514-6-ND, Manufacturer=muRata, Rated Voltage=50V, Temperature Rating=X5R, Tolerance=10%, Material=MLCC, Part Number=GRM21BR6YA106KE43L
C13: library part HHXA350ARA470MF61G, Part Number=HHXA350ARA470MF61G
C14: library part GRM21BR61A226ME51L, Digikey Part Number=490-10511-1-ND, Manufacturer=muRata, Rated Voltage=50V, Temperature Rating=X5R, Tolerance=20%, Material=MLCC, Part Number=GRM21BR61A226ME51L
C17 C49: library part GRM32ER71E226KE15L, Digikey Part Number=490-5313-2-ND, Manufacturer="Murata Electronics", Rated Voltage=25V, Temperature Rating=X7R, Tolerance=±10%, Material=MLCC, Part Number=GRM32ER71E226KE15L
C19 C28 C31 C42 C58 C61 C64 C67: library part CMP-102-000034-2, "Ceramic Capacitor, Multilayer, Ceramic, 35V, 10% +Tol, 10% -Tol, X5R, 15% TC, 10uF, Surface Mount, 0805", Part Number=GRM21BR6YA106KE43L, Rated Voltage=35V, Tolerance=10%, Digikey Link=https://www.digikey.com.au/en/products/detail/murata-electronics/GRM21BR6YA106KE43L/5027598?s=N4IgTCBcDaIOICUCyYCMAhBA2AmgQVQAYsBpAUQBYBmAGQAIQBdAXyA, Material=X7R
C20 C29 C40 C43 C59 C62 C65 C68: library part CMP-102-000033-3, "Ceramic Capacitor, Multilayer, Ceramic, 50V, 10% +Tol, 10% -Tol, X7R, 15% TC, 1uF, Surface Mount, 0805", Part Number=GCM21BR71H105KA03L, Rated Voltage=50V, Tolerance=10%, Digikey Link=https://www.digikey.com.au/en/products/detail/murata-electronics/GCM21BR71H105KA03L/4903984?s=N4IgTCBcDaIOIGECyYCMAhASgdlQCVQAYBWAaQEFCBmAGRAF0BfIA, Material=X7R
C22: library part CMP-102-000031-7, "Ceramic Capacitor, Multilayer, Ceramic, 50V, 10% +Tol, 10% -Tol, X8L, -40/+15% TC, 0.1uF, Surface Mount, 0603", Part Number=GCM188L81H104KA57D, Rated Voltage=50V, Tolerance=10%, Digikey Link=https://www.digikey.com.au/en/products/detail/murata-electronics/GCM188L81H104KA57D/2591908?s=N4IgTCBcDaIOIGECyBGAHGgMmlAJFADACwDSAggKwDsAIiALoC%2BQA, Material=X8L
C23: library part CMP-102-000032-2, "Ceramic Capacitor, Multilayer, Ceramic, 25V, 10% +Tol, 10% -Tol, X7R, 15% TC, 2.2uF, Surface Mount, 0805", Part Number=GRM21BR71E225KE11L, Rated Voltage=50V, Tolerance=10%, Digikey Link=https://www.digikey.com.au/en/products/detail/murata-electronics/GRM21BR71E225KE11L/6606096?s=N4IgTCBcDaIOICUCyYCMAhBB2VBRMYArANK6qoAyIAugL5A, Material=X7R
C27 C30 C41 C53 C60 C63 C66 C69: library part CMP-102-000028-7, "Ceramic Capacitor, Multilayer, Ceramic, 50V, 5% +Tol, 5% -Tol, C0G, 30ppm/Cel TC, 0.01uF, Surface Mount, 0603", Part Number=GCM1885C1H103JA16D, Rated Voltage=50V, Tolerance=5%, Digikey Link=https://www.digikey.com.au/en/products/detail/murata-electronics/GCM1885C1H103JA16D/13401923?s=N4IgTCBcDaIOIGECyBGAHGgrAlAJFADAMwBSAgigGwAiIAugL5A, Material=C0G
C32 C44: library part GCM21BR71H105KA03L, Digikey Part Number=490-10675-1-ND, Manufacturer=muRata, Rated Voltage=50V, Temperature Rating=X7R, Tolerance=±10%, Material=MLCC, Part Number=GCM21BR71H105KA03L
C57: library part GCM188L81H103KA03D, Digikey Part Number=490-GCM188L81H103KA03DCT-ND, Manufacturer=muRata, Rated Voltage=50V, Temperature Rating=X8L, Tolerance=±10%, Material=MLCC, Part Number=GCM188L81H103KA03D
D1 D7 D9: library part CMP-004-00005-4, "Diode 100 V 1A Surface Mount SOD-123W"
D2 D4 D5: library part SML-210LTT86, "Red LED Indication - Discrete 1.75V 0805 (2012 Metric)", Digikey Part Number=511-1286-1-ND, Manufacturer="ROHM Semiconductor", Colour=Red, Part Number=SML-210LTT86
D3: library part CMP-004-00003-4, "TVS Diode Single Bi-Dir 33.3V 600W Automotive 2-Pin SMB T/R / TVS DIODE 33.3VWM 69.7VC SMB", Breakdown Voltage=39V, Case/Package=DO-214AA, Clamping Voltage=53.9V, Leakage Current=200nA, Max Breakdown Voltage=41V, Max Operating Temperature=150°C, Max Power Dissipation=600W, Max Surge Current=11.1A, Min Breakdown Voltage=37.1V, Min Operating Temperature=-55°C, Operating Supply Voltage=30V, Package Quantity=1, Peak Pulse Current=57A, Power Line Protection=No, Resistor Type=Zener, Reverse Standoff Voltage=33.3V, Test Current=1mA, Diode Type=ZENER, Direction=Bidirectional, Element Configuration=Single, Height=2.45mm, Length=4.6mm, Max Reverse Leakage Current=200nA, Mount="Surface Mount", Number of Bidirectional Channels=1, Number of Channels=1, Number of Elements=1, Number of Pins=2, Packaging="Tape and Reel", Peak Pulse Power=600W, Polarity=Bidirectional, Radiation Hardening=No, REACH SVHC="No SVHC", Reverse Breakdown Voltage=37.1V, RoHS Compliant=Yes, Series="Automotive, AEC-Q101, SM6TY, TRANSIL™", Termination=SMD/SMT, Width=3.95mm
D6 D8 D16: library part SML-210FTT86, "Green LED Indication - Discrete 1.75V 0805 (2012 Metric)", Digikey Part Number=511-1285-1-ND, Manufacturer="ROHM Semiconductor", Colour=Green, Part Number=SML-210FTT86
D10 D11: library part SML-211YTT86, "Yellow LED Indication - Discrete 1.75V 0805 (2012 Metric)", Digikey Part Number=511-1293-1-ND, Manufacturer="ROHM Semiconductor", Colour=Yellow, Part Number=SML-211YTT86
D12 D17: Breakdown Voltage=250V, Forward Voltage=1.0V, Manufacturer="Nexperia USA Inc.", Rated Power=250mW, Part Number=BAS-21
D13: Breakdown Voltage="100 V", Digikey Part Number=1727-PMEG100T10ELR-QXCT-ND, Forward Voltage="0.75 V @ 1A", Manufacturer="Nexperia USA Inc.", Rated Power="680 mW", Part Number=PMEG100T10ELR-QX
D14: library part SML-211DTT86, "Orange LED Indication - Discrete 1.75V 0805 (2012 Metric)", Digikey Part Number=511-1291-1-ND, Manufacturer="ROHM Semiconductor", Colour=Orange, Part Number=SML-211DTT86
D15: library part CMP-107-000002-2, "Zener Diode, 5.1V V(Z), 5.1%, 0.225W, Silicon, Unidirectional, TO-236AB", Max Operating Temperature=150°C, Max Power Dissipation=225mW, Min Operating Temperature=-65°C, Package Body Material=Plastic, Package Shape=Rectangular, Package Style="SMALL OUTLINEMeter", Part Number=BAS21, Reference Voltage-Nom=5.1V, Test Current=20mA, Voltage Tol-Max=5.1%, Digikey Link=#https://www.digikey.com.au/en/products/detail/smc-diode-solutions/BAS21/6022500#, Diode Element Material=SILICON, Diode Type=ZENER, Dynamic Impedance-Max=17R, JEDEC-95 Code=TO-236AB, JESD-30 Code=R-PDSO-G3, JESD-609 Code=e3, Moisture Sensitivity Level=1, Number of Elements=1, Pins=3, Polarity=Unidirectional, Reach SVHC Compliant=Yes, Reference Standard=AEC-Q101, RoHS Compliant=Yes, Surface Mount=Yes, Technology=ZENER, Terminal Finish=Tin, Terminal Form="Gull Wing", Terminal Position=DUAL
F1: "PTC RESET FUSE 60V 1A 292", Digikey Part Number=507-2070-1-ND, Manufacturer="Littelfuse Inc.", Digikey Link=https://www.digikey.com/product-detail/en/bel-fuse-inc/0ZCF0100AF2A/507-2070-1-ND/6210547, Part Number=0ZCF0100AF2A
K1 K2: library part CMP-008-00001-1, "Relay Gen Purpose DPDT 3A 5V"
L1 L3: library part RLS-126, Digikey Part Number=945-3429-ND, Manufacturer=Recom, Rated Current="0.8 A", Tolerance=0.2, Impedance=230mOhm, Material=Wirewound, Part Number=RLS-126
L2: library part SRN4018-4R7M, Digikey Part Number=SRN3015TA-4R7MCT-ND, Manufacturer=Bourns, Rated Current=1.9A, Tolerance=0.2, Impedance=84mOhms, Material=Wirewound, Part Number=SRN4018-4R7M
P1: Digikey Part Number=1734-1861-ND, Angle=90, Contact="Copper Alloy", Digikey Link=https://www.digikey.com/products/en?keywords=dtf13-12pa, Flange=No, Part Number=DTF13-12P, Pitch=4.45mm, Positions=12, Row Spacing=4.45mm
P2: library part "SMD 1.27mm Header 2x5 (3221-10-0300-00)", Angle=0, Contact=NA, Flange=No, Part Number="SMD 1.27mm Header 2x5 (3221-10-0300-00)", Pitch=1.27mm, Positions=10, Row Spacing=1.27mm
P3 P4 P5 P6: Digikey Part Number=WM21351-ND, Angle=90, Contact=Tin, Flange=No, Part Number=39300020, Pitch=4.2mm, Positions=2, Row Spacing=5.5mm
P10: library part "TH 2.54mm Header 1x3", Angle=0, Contact=NA, Flange=No, Part Number="TH 2.54mm Header 1x3", Pitch=2.54mm, Positions=3, Row Spacing=2.54mm
P11: Digikey Part Number=455-2247-ND, Angle=0, Contact=Tin, Digikey Link=https://www.digikey.com.au/en/products/detail/jst-sales-america-inc/B2B-XH-A-LF-SN/1651045, Flange=No, Part Number=B2B-XH-A(LF)(SN), Pitch=2.54mm, Positions=2, Row Spacing=2.54mm
P12: Digikey Part Number=WM3843-ND, Angle=0, Contact=Tin, Flange=No, Part Number=39293026, Pitch=4.2mm, Positions=2, Row Spacing=5.5mm
P13: library part CMP-104-000011-1, "Rectangular Power Connector, 4 Contact(s), Male, Solder Terminal, Plug", Contact Resistance=10mR, Dielectric Withstanding Voltage (AC)=1.5kV, Flammability Rating="UL94 V-2", Insulation Resistance=1GR, Max Operating Temperature=105°C, Min Operating Temperature=-40°C, Rated Current (Signal)=8A, Body Breadth=0.378inch, Body Depth=0.504inch, Body Length=0.38inch, Body/Shell Style=PLUG, Connector Type=Power,Rectangular, Contact Finish - Mating="NOT SPECIFIED", Contact Gender=Male, Contact Pattern=RECTANGULAR, Contact Style="SQ PIN-SKT", DIN Conformance=No, Durability=30Cycles, Empty Shell=No, Filter Feature=No, IEC Conformance=No, Insertion Force-Max=6.672N, Insulation Material=Nylon, Mating Contact Pitch=0.165inch, Mating Contact Row Spacing=0.165inch, Mating Information="MULTIPLE MATING PARTS AVAILABLE", MIL Conformance=No, Mixed Contacts=No, Mounting Option 1="POLARIZED LCK", Mounting Option 2=LOCKING, Mounting Style=STRAIGHT, Mounting Technology=Board, Number Of Connectors=1, Number of Contacts=4, Number Of PCB Rows=2, Number of Rows Loaded=2, Option="General Purpose", PCB Contact Pattern=RECTANGULAR, PCB Contact Row Spacing=5.5118mm, Plating Thickness=35uin, Polarization Key="POLARIZED HOUSING", Reach SVHC Compliant=Yes, Reference Standard=UL, Reliability=COMMERCIAL, RoHS Compliant=Yes, Shell Material=POLYAMIDE66, Terminal Length=0.138inch, Terminal Pitch=4.191mm, Termination=Solder, Withdrawl Force-Min=3.1136N
Q1 Q2 Q4: library part CMP-038-000000-2, "60V 380mA, NFET MOSTFET (Small Signal)", Part Number=2N7002K
Q3: "N-Channel 100V 60A (Tc) 125W (Tc) Surface Mount DPAK", Digikey Part Number=497-8806-2-ND, Manufacturer=STMicroelectronics, Rated Power=125W, LatestRevisionDate=29-May-2009, LatestRevisionNote="IPC-7351 Footprint Added.", PackageDescription="4-Pin SOT-343 Package 1.3 mm Pitch, 2.1 mm Lead Span", PackageReference=SOT-343, PackageVersion=Sep-2000, Part Number=STD70N10F4, Published=24-Mar-1999, Publisher="Altium Limited", Type=N-channel
Q5 Q6: "MOSFET N-CH 60V 2.3A SOT23", Digikey Part Number=SQ2308CES-T1_GE3CT-ND, Manufacturer="Vishay Siliconix", Rated Power=2W, LatestRevisionDate=29-May-2009, LatestRevisionNote="IPC-7351 Footprint Added.", PackageDescription="4-Pin SOT-343 Package 1.3 mm Pitch, 2.1 mm Lead Span", PackageReference=SOT-343, PackageVersion=Sep-2000, Part Number=SQ2308CES-T1_GE3, Published=24-Mar-1999, Publisher="Altium Limited", Type=N-channel
R1 R2: library part SMF715KJ, Manufacturer=TE, Rated Power=7W, Tolerance=0.05, Material="Metal Film", Part Number=SMF715KJ
R3 R45 R61: library part RC0603FR-0720KL, Digikey Part Number=311-20.0KHRCT-ND, Manufacturer=YAGEO, Rated Power=0.1W, Tolerance=0.01, Material=FR-07, Part Number=RC0603FR-0720KL
R4 R22 R23 R32 R39 R40: library part RC0603JR-071K2L, Digikey Part Number=311-1.2KGRCT-ND, Manufacturer=YAGEO, Rated Power=0.1W, Tolerance=0.01, Material=FR-07, Part Number=RC0603JR-071K2L
R5 R33 R56: library part RC0603FR-072KL, Digikey Part Number=311-2.00KHRCT-ND, Manufacturer=YAGEO, Rated Power=0.1W, Tolerance=0.01, Material=FR-07, Part Number=RC0603FR-072KL
R6 R30 R37 R44 R57: library part 3296W-1-103LF, Digikey Part Number=3296W-103LF-ND, Manufacturer="Bournes Inc", Rated Power=0.5W, Tolerance=0.1, Part Number=3296W-1-103LF
R7 R8 R13 R25 R34 R46 R49 R59 R60: library part RC0603FR-071KL, Digikey Part Number=311-1.00KHRCT-ND, Manufacturer=YAGEO, Rated Power=0.1W, Tolerance=0.01, Material=FR-07, Part Number=RC0603FR-071KL
R9 R11: library part RC0805FR07100RL, Digikey Part Number=311-100CRCT-ND, Manufacturer=YAGEO, Rated Power=0.125W, Tolerance=0.01, Material=FR-07, Part Number=RC0805FR07100RL
R10 R12 R14 R15: library part CMP-037-000402-1, Digikey Part Number=PWR263S-35-1001J-ND, Manufacturer="Bournes Inc", Rated Voltage=35W, Tolerance=0.05, Part Number=PWR263S-35-1001J
R16 R17: library part RT0603BRD07500RL, Digikey Part Number=13-RT0603BRD07500RL-ND, Manufacturer=YAGEO, Rated Power=0.1W, Tolerance=0.01, Material=FR-07, Part Number=RT0603BRD07500RL
R18 R21 R24 R35 R38 R58: library part RC0603FR-0710KL, Digikey Part Number=311-10.0KHRCT-ND, Manufacturer=YAGEO, Rated Power=0.1W, Tolerance=0.01, Material=FR-07, Part Number=RC0603FR-0710KL
R19 R20: library part RC0805FR075K1L, Digikey Part Number=311-5.10KCRCT-ND, Manufacturer=YAGEO, Rated Power=0.125W, Tolerance=0.01, Material=FR-07, Part Number=RC0805FR075K1L
R26 R27 R28 R29: library part MMB02070C3303FB200, Digikey Part Number=MMB-330KBCT-ND, Manufacturer="Vishay Beyschlag", Rated Power=1W, Tolerance=0.01, Part Number=MMB02070C3303FB200
R31: library part MMB02070C3301FB200, Digikey Part Number=MMB-3.30KBCT-ND, Manufacturer="Vishay Beyschlag", Rated Voltage=1W, Tolerance=0.01, Part Number=MMB02070C3301FB200
R36: library part RC0603JR-13680RL, Digikey Part Number=13-RC0603JR-13680RLCT-ND, Manufacturer=YAGEO, Rated Power=0.1W, Tolerance=0.01, Material=FR-07, Part Number=RC0603JR-13680RL
R41: library part CMP-RES-0102-2, "RES SMD 10K OHM JUMPER 1/10W 0603", Case/Package=0603, Max Operating Temperature=155°C, Min Operating Temperature=-55°C, Power Rating=100mW, Tolerance=1%, Voltage Rating=50V
R42: library part RC0603JR-075K1L, Digikey Part Number=311-5.1KGRCT-ND, Manufacturer=YAGEO, Rated Power=0.1W, Tolerance=0.01, Material=FR-07, Part Number=RC0603JR-075K1L
R43: library part RC0603FR-0710RL, Digikey Part Number=311-10.0HRCT-ND, Manufacturer=YAGEO, Rated Power=0.1W, Tolerance=0.01, Material=FR-07, Part Number=RC0603FR-0710RL
R47 R48: library part CMP-RES-0095-2, "RES SMD 5.1K OHM JUMPER 1/10W 0603", Case/Package=0603, Max Operating Temperature=155°C, Min Operating Temperature=-55°C, Power Rating=100mW, Tolerance=1%, Voltage Rating=50V
T1: library part CMP-013-00000-1, "Small Signal Bipolar Transistor, 0.1A I(C), 50V V(BR)CEO, 2-Element, NPN and PNP, Silicon", Collector-emitter Voltage-Max=50V, DC Current Gain-Min (hFE)=60, Max Collector Current=100mA, Package Body Material=Plastic, Package Shape=Rectangular, Package Style="SMALL OUTLINEMeter", Peak Reflow Temperature (Cel)=260°C, Time @ Peak Reflow Temperature-Max (s)=30s, JESD-30 Code=R-PDSO-G6, JESD-609 Code=e3, Moisture Sensitivity Level=1, Number of Elements=2, Pins=6, Polarity/Channel Type=NPN,PNP, Reach SVHC Compliant=Yes, Reference Standard=IEC-60134, RoHS Compliant=Yes, Surface Mount=Yes, Terminal Finish=Tin, Terminal Form="Gull Wing", Terminal Position=DUAL, Transistor Application=SWITCHING, Transistor Element Material=SILICON
U1: "IC CAN TRANSCEIVER 1/1 8SOIC", Digikey Part Number=296-ISO1042BQDWVQ1-ND, Manufacturer="Texas Instruments", Part Number=ISO1042
U2: Digikey Part Number=495-4598-1-ND, Manufacturer="EPCOS (TDK)", Rated Current=150mA, Impedance="5.8 kOhms @ 10MHz", Material=Wirewound, Part Number=B82787C0104H002
U3: "Dual Line CAN Bus Protector", Digikey Part Number=NUP2105LT1GOSCT-ND, Manufacturer="ON Semiconductor", Digikey Link=https://www.digikey.com/product-detail/en/on-semiconductor/NUP2105LT1G/NUP2105LT1GOSCT-ND/1485001, Part Number=NUP2105L
U4: Digikey Part Number=732-1489-1-ND, Manufacturer="Wurth Electronics Inc", Rated Current="2.5 A", Impedance="460 Ohms @ 30MHz", Material=Wirewound, Part Number=744272121
U5: library part LMR50410-Q1, "IC REG BUCK 5V 1A SOT23-6", Digikey Part Number=296-LMR50410Y5FQDBVRQ1CT-ND, Input Voltage=4-36V, Manufacturer="Texas Instruments", Output Current=1A, Output Voltage=5V, Part Number=LMR50410-Q1
U6: "DC DC CONVERTER 3.3V 1W", Input Voltage=5V, Manufacturer=Recom, Output Current=303mA, Output Voltage=3.3V, Part Number=RK-053.3S/H6
U7: library part CMP-035-000005-1, "RELAY REED HV SPST 200W 3A 5V (NC)", Part Number=3350-4275-056
U8: library part CMP-029-000004-2, "RISC Microcontroller, 32-Bit, FLASH, Cortex-M0+ CPU, 64MHz, CMOS"
U9 U13: library part CMP-001-0030-1, "Automotive, low-emissions, quad-channel 3/1 reinforced digital isolator with integrated power 20-SOIC -40 to 125"
U10 U14: library part CMP-001-0002-15, "8-Channel Single ADC SAR 1Msps 12-bit Serial 16-Pin WQFN EP T/R", Digikey Link=https://www.digikey.com.au/en/products/detail/texas-instruments/ADS7028IRTER/12696020?s=N4IgTCBcDaIIIBEDKB2ADGAHASQEoBUBRXEAXQF8g
U11: library part CMP-110-000007-1, "DIGITAL ISOLATOR, SINGLE CHANNEL", Digikey Link=#https://www.analog.com/media/en/technical-documentation/data-sheets/ADuM210N.pdf#, Part Number=ADuM210N
U12 U18 U19: Digikey Part Number=296-TLV7031QDBVRQ1CT-ND, Input Voltage="1.6 to 6.5 V", Manufacturer="Texas Instruments", Channels=1, Output=Push-Pull, Part Number=TLV7031-Q1
U15 U21: "DIGITAL ISOLATOR, DUAL CHANNEL", Manufacturer="Analogue Devices", Part Number=ADuM225N
U16: Digikey Part Number=1734-1646-ND, Angle=90, Contact="Copper Alloy", Digikey Link=https://www.digikey.com.au/products/en?keywords=dtf13-4p, Flange=Yes, Part Number=DTF13-4P, Pitch=9.12mm, Positions=4, Row Spacing=4.45mm
U17: "35V 50ma Optocoupler (VF=1.2V)", Digikey Part Number=160-1893-2-ND, Manufacturer="Lite-On Inc", Digikey Link=https://www.digikey.com/product-detail/en/lite-on-inc/LTV-817S-TA1/160-1893-2-ND/388451, Part Number=LTV-817S-TA1
U20: library part CMP-022-000003-1, "IC OSC SGL TIMER 100KHZ 8-SOIC", Part Number=NE555DR
U22: "CONV DC/DC 1A 5V OUT SIP VERT", Digikey Part Number=945-1395-5-ND, Manufacturer=Recom, Output Power=5W, Output Voltage=5V, Digikey Link=https://www.digikey.com.au/product-detail/en/recom-power/R-78C5.0-1.0/945-1395-5-ND/2652148, Isolation=Non-Isolated, Part Number=R-78C5.0-1.0

## Free pads (board coordinates)
  round 7 hole 4.3 unplated: 1(168.021,-77.216) 2(168.021,-5.08)

## Via types
v1: diameter 0.55, hole 0.25, Top Layer to Bottom Layer, tented both sides, 287 vias

## Nets (pads, with @x,y where several pads share a name; then routed paths per layer and width w, separated by ;. In a path a pad name is that pad's centre, name@x,y a point inside that pad or via, vN(x,y) a via of type N, cw(c..) or ccw(c..) an arc to the next point about the centre after c; other vN are vias at no path point)
0V: C1.1 C3.1 C4.1 C5.1 C6.1 C8.1 C9.1 C10.1 C14.1 C15.1 C16.1 C17.1 C18.1 C21.1 C25.1 C47.1 C49.1 C52.1 C54.1 C55.1 C56.1 C57.1 D15.A D16.K K2.4 P13.3 Q1.S Q4.S Q5.S Q6.S R3.1 R5.1 R18.2 R38.2 R45.2 R48.1 R57.3 R61.1 T1.E1 U1.5 U3.3 U4.3 U5.2 U6.2 U15.4 U18.2 U20.1 U21.5 U22.2 | length 66.5
  Top Layer w0.152: 17.058,-27.239 T1.E1@18.61,-27.239 ; C4.1@25.605,-51.054 25.605,-50.214 ; 25.605,-45.036 C3.1@25.605,-44.196 ; R61.1@28.021,-22.784 29.007,-22.784 ; 28.021,-17.801 Q6.S@28.021,-17.135 ; 29.16,-23.266 D16.K@30.374,-23.266 ; 29.459,-20.935 Q5.S@30.374,-20.935 ; 29.515,-17.069 C56.1@29.515,-16.102 ; v1(32.309,-17.323) U18.2@32.309,-15.672 ; C6.1@33.577,-51.054 33.577,-50.214 ; 33.577,-45.036 C5.1@33.577,-44.196 ; C57.1@35.103,-15.01 36.346,-15.01 ; v1(37.338,-47.625) U3.3@38.465,-47.625 ; 38.114,-17.614 C55.1@38.913,-17.614 ; Q1.S@39.05,-38.719 40.825,-38.719 ; 40.843,-38.684 40.872,-38.713 40.872,-38.735 ; R18.2@40.872,-39.546 40.872,-38.735 ; C1.1@40.972,-51.308 40.972,-50.181 ; 41.021,-45.72 U1.5@42.672,-45.72 ; 41.377,-5.69 41.427,-5.74 C49.1@43.943,-5.74 ; U21.5@42.647,-38.735 40.872,-38.735 ; 43.139,-18.288 R48.1@44.057,-18.288 ; 44.126,-1.499 C52.1@45.424,-1.499 ; D15.A@53.757,-15.938 54.675,-15.938 ; 54.962,-20.6 U15.4@55.88,-20.6 ; C54.1@57.555,-6.96 59.792,-6.96 59.919,-6.833 ; U20.1@59.538,-5.309 61.316,-5.309 61.57,-5.563 ; 61.165,-18.874 C47.1@62.103,-18.874 ; 62.762,-3.58 R45.2@63.602,-3.58 ; 84.758,-1.803 R38.2@85.676,-1.803 ; Q4.S@88.961,-15.259 88.961,-14.341 89.179,-14.122
  Top Layer w0.254: 13.614,-3.048 13.665,-3.099 C17.1@15.935,-3.099 ; 17.043,-27.254 17.058,-27.239 ; C16.1@26.972,-10.413 28.246,-10.413 28.27,-10.389 ; 27.991,-17.831 28.021,-17.801 ; 29.134,-23.292 29.16,-23.266 ; 29.388,-21.006 29.459,-20.935 ; C56.1@29.515,-16.102 C56.1@29.715,-16.302 ; 33.528,-45.085 33.577,-45.036 ; 36.346,-15.01 36.373,-15.037
  Top Layer w0.305: U22.2@22.073,-7.849 25.047,-7.849 ; 69.543,-12.446 K2.4@72.517,-12.446
  Bottom Layer w0.152: 24.385,-80.136 C8.1@25.683,-80.136 ; 36.089,-65.738 C18.1@37.387,-65.738 38.685,-65.738 ; 39.427,-80.747 C15.1@40.725,-80.747 ; 39.776,-78.689 40.031,-78.434 C14.1@41.023,-78.434 ; C21.1@41.196,-61.38 42.493,-61.38 ; R5.1@42.924,-65.735 42.924,-64.182 ; C10.1@47.408,-77.699 48.706,-77.699 ; C9.1@47.608,-75.328 48.906,-75.328 ; R3.1@49.657,-78.41 49.657,-77.521
  Bottom Layer w0.254: 21.234,-76.683 21.285,-76.733 ; 23.52,-78.74 23.727,-78.534 ; U5.2@43.205,-69.818 43.205,-67.767
  Bottom Layer w0.5: 21.285,-76.733 U4.3@23.727,-76.733 23.727,-78.534
  other v1: 10.033,-81.915 14.859,-81.915 19.685,-81.915 24.511,-81.915 29.337,-81.915 34.163,-81.915 38.989,-81.915 43.815,-81.915 49.911,-81.788 10.418,-79.874 15.418,-79.874 20.418,-79.874 35.418,-79.874 6.706,-78.486 49.911,-76.962 6.68,-73.685 49.911,-72.136 15.418,-69.874 20.418,-69.874 35.418,-69.874 45.418,-69.874 6.68,-68.859 49.53,-67.437 6.68,-64.033 43.815,-61.722 20.418,-59.874 40.418,-59.874 6.68,-59.207 44.069,-56.134 12.918,-54.874 22.918,-54.874 27.918,-54.874 32.918,-54.874 37.918,-54.874 42.918,-54.874 6.68,-54.381 44.069,-51.308 25.418,-49.874 30.418,-49.874 35.418,-49.874 40.418,-49.874 22.918,-44.874 37.918,-44.874 42.918,-44.874 44.07,-42.799 30.418,-39.874 6.807,-37.871 44.069,-35.56 6.81,-33.861 10.418,-29.874 25.418,-29.874 35.418,-29.874 40.418,-29.874 44.069,-29.591 6.81,-29.035 12.918,-24.874 42.918,-24.874 44.069,-24.765 6.81,-24.209 29.134,-22.022 64.17,-22.031 46.228,-21.971 51.054,-21.971 70.739,-21.844 76.708,-21.844 81.534,-21.844 86.36,-21.844 91.186,-21.844 20.418,-19.874 50.418,-19.874 65.418,-19.874 75.418,-19.874 85.418,-19.874 90.418,-19.874 6.81,-19.383 92.456,-17.145 27.991,-15.799 12.918,-14.874 67.918,-14.874 72.918,-14.874 77.918,-14.874 82.918,-14.874 6.825,-14.556 92.456,-12.319 30.418,-9.874 45.418,-9.874 55.418,-9.874 60.418,-9.874 65.418,-9.874 75.418,-9.874 80.418,-9.874 90.418,-9.874 6.807,-9.677 92.456,-7.493 27.918,-4.874 67.918,-4.874 72.918,-4.874 77.918,-4.874 82.918,-4.874 6.807,-4.851 8.89,-0.381 13.716,-0.381 18.542,-0.381 23.368,-0.381 28.194,-0.381 33.02,-0.381 37.846,-0.381 42.672,-0.381 49.022,-0.381 53.848,-0.381 58.674,-0.381 63.5,-0.381 68.326,-0.381 73.152,-0.381 77.978,-0.381 82.804,-0.381 87.63,-0.381 92.456,-0.381